# Altium PCB STM32F7_CoreBoard.PcbDoc (part 1 of 8) (continued)
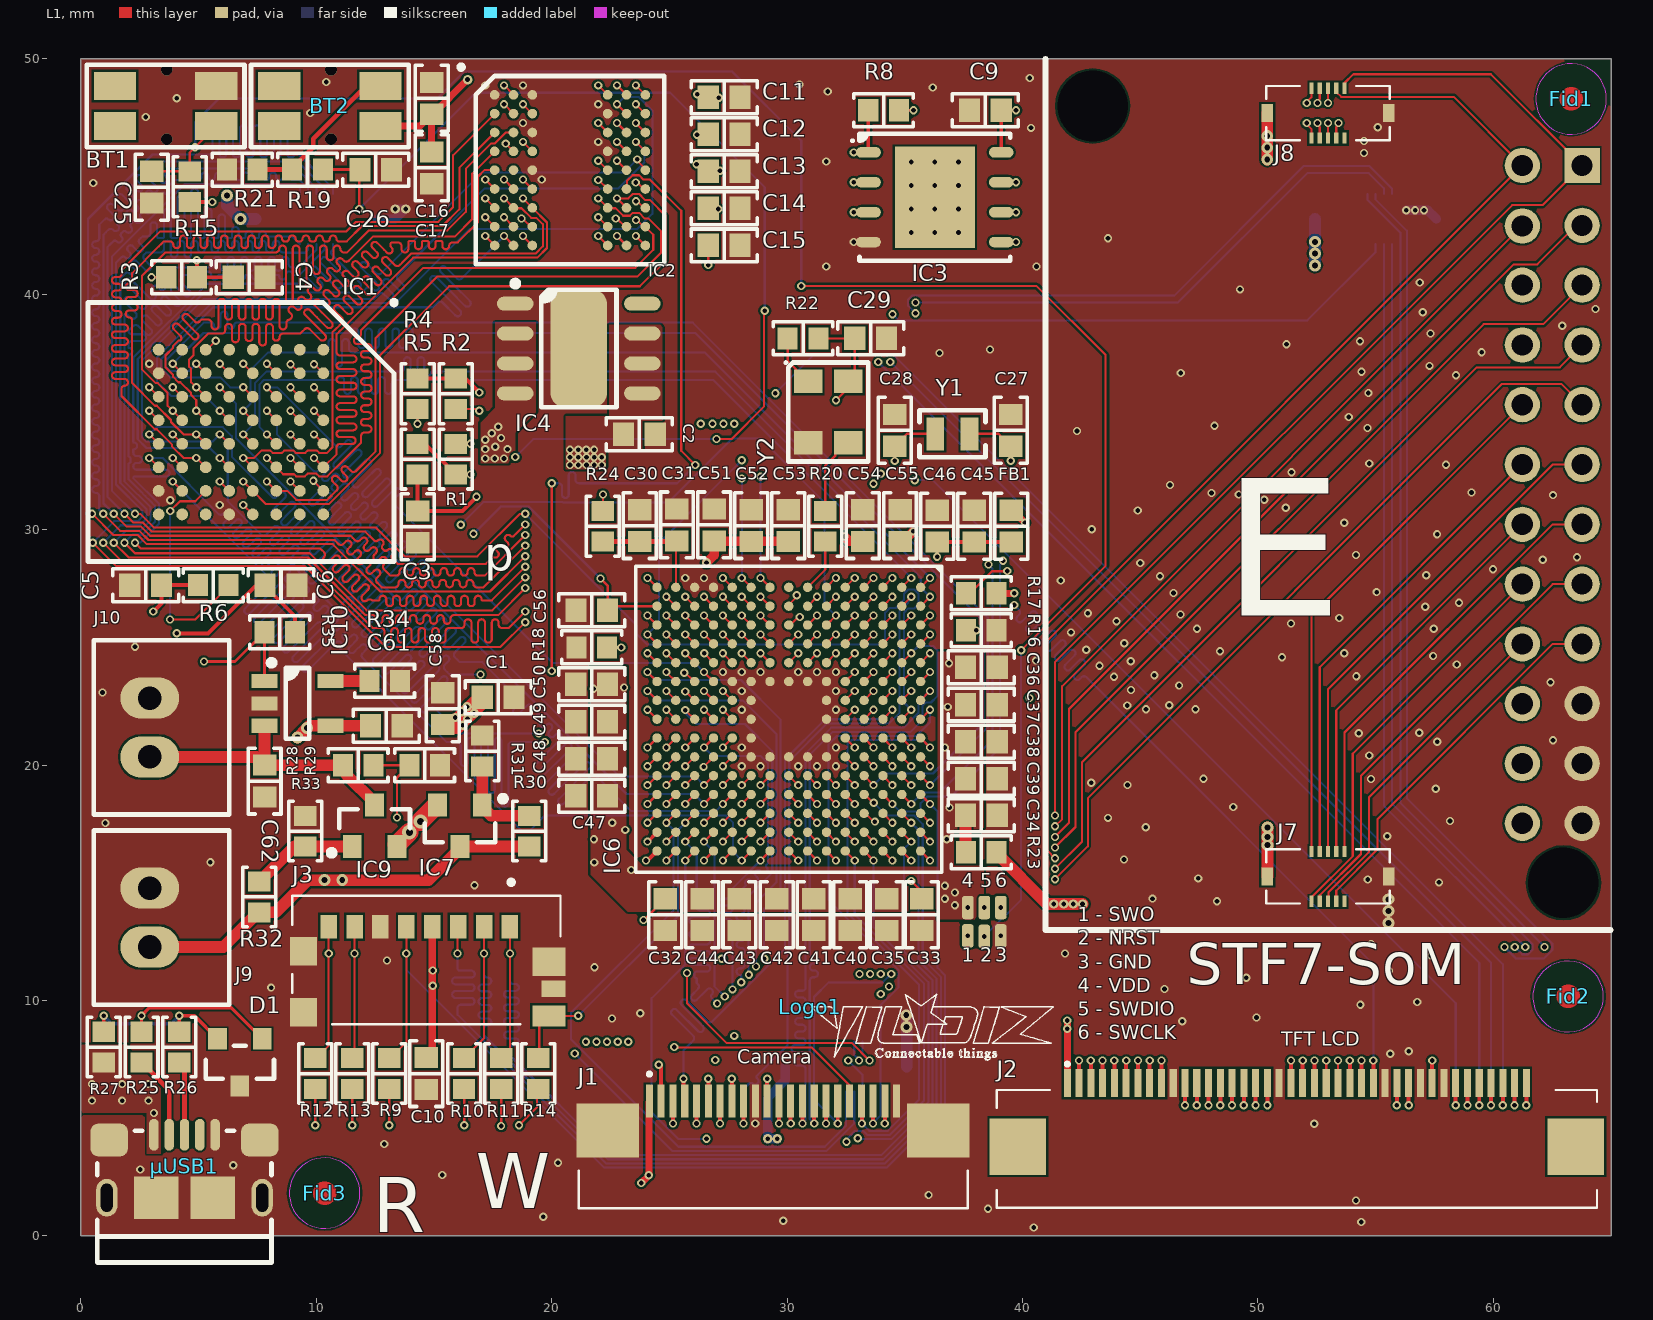
[diagram p0: L1 view]
## Part data (continued)
J1: library part FPC-22, "Connector", Contact Resistance=30mR, Current Rating=500mA, Flammability Rating="UL94 V-0", Housing Color=Black, Insulation Resistance=100MR, Manufacturer="Amphenol FCI", Manufacturer Part Number=SFV22R-2STE1HLF, Max Operating Temperature=105°C, Max Voltage Rating (AC)=50V, Min Operating Temperature=-55°C, Package Quantity=3000, Supplier Part Number 1=609-4319-1-ND, Actuator Material=Glass,Polyphenylene, ComponentLink1Description=https://datasheet.ciiva.com/670/10112793-670003.pdf?src-supplier=Digi-Key, ComponentLink1URL=https://datasheet.ciiva.com/670/10112793-670003.pdf?src-supplier=Digi-Key, ComponentLink2Description=https://datasheet.ciiva.com/670/10112793-670004.pdf?src-supplier=Digi-Key, ComponentLink2URL=https://datasheet.ciiva.com/670/10112793-670004.pdf?src-supplier=Digi-Key, ComponentLink3Description=https://datasheet.ciiva.com/13704/10112793-13704492.pdf?src-supplier=Mouser, ComponentLink3URL=https://datasheet.ciiva.com/13704/10112793-13704492.pdf?src-supplier=Mouser, ComponentLink4Description=https://datasheet.ciiva.com/670/10112793-670005.pdf?src-supplier=Digi-Key, ComponentLink4URL=https://datasheet.ciiva.com/670/10112793-670005.pdf?src-supplier=Digi-Key, ComponentLink5Description=https://datasheet.ciiva.com/10368/10112793-10368190.pdf?src-supplier=Avnet, ComponentLink5URL=https://datasheet.ciiva.com/10368/10112793-10368190.pdf?src-supplier=Avnet, Contact Location=Top, Contact Material=Bronze, Contact Plating=Tin, Depth=4.9mm, Housing Material=Polymer, Length=16.5mm, Max Current Rating=500mA, Mount="Surface Mount", Number of Contacts=22, Number of Positions=22, Number of Rows=1, Orientation="Right Angle", Packaging="Tape and Reel", Pitch=0.5mm, Pricing 1="1 = 0,79000, 10 = 0,74300, 25 = 0,66840, 50 = 0,59420, 100 = 0,56950, 250 = 0,52000, 500 = 0,49522, 1000 = 0,40856 (USD)", Radiation Hardening=No, RoHS=Yes, Stock 1=2152, Supplier 1=Digi-Key, Termination=Solder, Voltage Rating=50V, Wire/Cable Type=Straight
J2: library part FPC-40, "Connector", Contact Resistance=30mR, Current Rating=500mA, Flammability Rating="UL94 V-0", Housing Color=Beige, Insulation Resistance=100MR, Manufacturer="Amphenol FCI", Manufacturer Part Number=62684-401100ALF, Max Operating Temperature=85°C, Max Voltage Rating (AC)=50V, Min Operating Temperature=-55°C, Package Quantity=2000, Supplier Part Number 1=609-1195-1-ND, Actuator Material=Glass,Thermoplastic, ComponentLink1Description=https://datasheet.ciiva.com/25631/0900766b8118e51f-25631168.pdf?src-supplier=RSComponents, ComponentLink1URL=https://datasheet.ciiva.com/25631/0900766b8118e51f-25631168.pdf?src-supplier=RSComponents, ComponentLink2Description=https://datasheet.ciiva.com/3112/62684-3112007.pdf?src-supplier=Avnet, ComponentLink2URL=https://datasheet.ciiva.com/3112/62684-3112007.pdf?src-supplier=Avnet, ComponentLink3Description=https://datasheet.ciiva.com/670/62684-670200.pdf?src-supplier=Digi-Key, ComponentLink3URL=https://datasheet.ciiva.com/670/62684-670200.pdf?src-supplier=Digi-Key, ComponentLink4Description=https://datasheet.ciiva.com/670/62684-670201.pdf?src-supplier=Digi-Key, ComponentLink4URL=https://datasheet.ciiva.com/670/62684-670201.pdf?src-supplier=Digi-Key, ComponentLink5Description=https://datasheet.ciiva.com/670/62684-670202.pdf?src-supplier=Digi-Key, ComponentLink5URL=https://datasheet.ciiva.com/670/62684-670202.pdf?src-supplier=Digi-Key, ComponentLink6Description=https://datasheet.ciiva.com/16659/62684-16659882.pdf?src-supplier=Avnet+Europe, ComponentLink6URL=https://datasheet.ciiva.com/16659/62684-16659882.pdf?src-supplier=Avnet+Europe, ComponentLink7Description=https://datasheet.ciiva.com/16709/70236840-16709916.pdf?src-supplier=Allied+Electronics, ComponentLink7URL=https://datasheet.ciiva.com/16709/70236840-16709916.pdf?src-supplier=Allied+Electronics, ComponentLink8Description=https://datasheet.ciiva.com/3112/62684-3112397.pdf?src-supplier=Avnet, ComponentLink8URL=https://datasheet.ciiva.com/3112/62684-3112397.pdf?src-supplier=Avnet, ComponentLink9Description=https://datasheet.ciiva.com/5772/62684-5772782.pdf?src-supplier=Farnell, ComponentLink9URL=https://datasheet.ciiva.com/5772/62684-5772782.pdf?src-supplier=Farnell, Contact Location=Bottom, Contact Material=Bronze, Contact Plating=Gold, Depth=5mm, Gender=Receptacle, Housing Material=Thermoplastic, Lead Free="Lead Free", Length=25.5mm, Max Voltage Rating (DC)=50V, Mount="Surface Mount", Number of Contacts=40, Number of Positions=40, Number of Rows=1, Orientation="Right Angle", Packaging="Tape and Reel", Pitch=0.5mm, Pricing 1="1 = 0,97000, 10 = 0,85600, 25 = 0,80600, 50 = 0,77240, 100 = 0,73880, 250 = 0,67168, 500 = 0,60450, 1000 = 0,53733 (USD)", REACH SVHC="No SVHC", RoHS=Yes, Stock 1=13351, Supplier 1=Digi-Key, Termination=Solder, Voltage Rating=50V, Width=5mm
J3: library part "uSD Card", "Connector", Manufacturer=Molex, Manufacturer Part Number=0475710001, Max Operating Temperature=85°C, Min Operating Temperature=-40°C, Package Quantity=1500, Supplier Part Number 1=WM9731CT-ND, ComponentLink1Description=https://datasheet.ciiva.com/15082/475710001-sd-15082838.pdf?src-supplier=Digi-Key, ComponentLink1URL=https://datasheet.ciiva.com/15082/475710001-sd-15082838.pdf?src-supplier=Digi-Key, ComponentLink2Description=https://datasheet.ciiva.com/3938/228290475710001-memory-card-socket-3938351.pdf?src-supplier=Arrow, ComponentLink2URL=https://datasheet.ciiva.com/3938/228290475710001-memory-card-socket-3938351.pdf?src-supplier=Arrow, ComponentLink3Description=https://datasheet.ciiva.com/2943/0475710001-memory-card-socket-2943559.pdf?src-supplier=Digi-Key, ComponentLink3URL=https://datasheet.ciiva.com/2943/0475710001-memory-card-socket-2943559.pdf?src-supplier=Digi-Key, ComponentLink4Description=https://datasheet.ciiva.com/15082/475710001-sd-15082839.pdf?src-supplier=Digi-Key, ComponentLink4URL=https://datasheet.ciiva.com/15082/475710001-sd-15082839.pdf?src-supplier=Digi-Key, ComponentLink5Description=https://datasheet.ciiva.com/15082/475710001-sd-15082840.pdf?src-supplier=Digi-Key, ComponentLink5URL=https://datasheet.ciiva.com/15082/475710001-sd-15082840.pdf?src-supplier=Digi-Key, Connector Type=Connector, Contact Material=Bronze, Contact Plating=Gold, Datasheet Link=https://www.molex.com/pdm_docs/sd/475710001_sd.pdf, Depth=5.45mm, Height=2.3mm, Housing Material=Polymer, Length=11.4mm, Mount="Surface Mount", Number of Contacts=8, Number of Rows=1, Orientation="Right Angle", Packaging="Tape and Reel", Pitch=1.1mm, Pricing 1="1 = 1,030000, 10 = 0,906000, 25 = 0,852400, 50 = 0,817000, 100 = 0,781400, 250 = 0,710400, 500 = 0,639340 (USD)", RoHS=Yes, Stock 1=37136, Supplier 1=Digi-Key, Termination=Solder
J5 J6 J7 J8 J11: library part "12 Pin (10 + 2 Power) B2B Socket", "Board to Board Connector", Manufacturer=Hirose, Manufacturer Part Number=BM24-10DS/2-0.35V(53), Supplier Part Number 1=H124928CT-ND, ComponentLink1Description=https://media.digikey.com/pdf/Data%20Sheets/Hirose%20PDFs/BM24.pdf?src-supplier=Digi-Key, ComponentLink1URL=https://media.digikey.com/pdf/Data%20Sheets/Hirose%20PDFs/BM24.pdf?src-supplier=Digi-Key, ComponentLink2Description=https://www.hirose.com/product/download/?distributor=digikey&type=2d&lang=en&num=BM24-10DS/2-0.35V(53)&src-supplier=Digi-Key, ComponentLink2URL=https://www.hirose.com/product/download/?distributor=digikey&type=2d&lang=en&num=BM24-10DS/2-0.35V(53)&src-supplier=Digi-Key, ComponentLink3Description=https://www.hirose.com/product/en/download_file/key_name/BM24-10DS__2-0.35V%2853%29/category/Specification%20Sheet/doc_file_id/87041/?file_category_id=9&item_id=06772002153&is_series=&src-supplier=Digi-Key, ComponentLink3URL=https://www.hirose.com/product/en/download_file/key_name/BM24-10DS__2-0.35V%2853%29/category/Specification%20Sheet/doc_file_id/87041/?file_category_id=9&item_id=06772002153&is_series=&src-supplier=Digi-Key, Connector Type=Socket, Contact Plating=Gold, Mated Stacking Heights=0.8mm, Mount="Surface Mount", Number of Pins=10, Number of Rows=2, Packaging="Tape and Reel", Pitch=0.014inch, Pricing 1="1 = 1,05000, 10 = 0,92600, 25 = 0,87120, 50 = 0,83500, 100 = 0,79860, 250 = 0,72600, 500 = 0,65340 (USD)", RoHS=Yes, Stock 1=2056, Supplier 1=Digi-Key
Logo1 Logo2: library part Logo, "Schematic symbol for Logo"
R1 R2 R3 R4 R5 R6 R8 R14 R15 R16 R17 R18 R19 R21 R22 R30 R31 R32 R33 R35: library part Resistor_Chip, "Ceramic, SMT Capacitor", Case/Package=0603, Case Code (Metric)=1608, Manufacturer="Stackpole Electronics", Manufacturer Part Number=RNCP0603FTD10K0, Max Operating Temperature=155°C, Max Power Dissipation=125mW, Min Operating Temperature=-55°C, Supplier Part Number 1=RNCP0603FTD10K0CT-ND, Temperature Coefficient=100ppm/°C, Tolerance=1%, Case Code (Imperial)=0603, Composition="Thin Film", Height=0.02inch, Lead Free="Lead Free", Length=0.059inch, Mount="Surface Mount", Number of Terminations=2, Packaging="Tape and Reel", Pricing 1="1 = 0,10000, 10 = 0,06700, 100 = 0,02730, 1000 = 0,01224, 2500 = 0,01063 (USD)", Radiation Hardening=No, Resistance=10kR, RoHS=Yes, Supplier 1=Digi-Key, Width=0.031inch
  R1 R2 R3 R4 R5 R6 R8: ComponentLink1Description=https://www.seielect.com/Catalog/SEI-rncp.pdf?src-supplier=Avnet, ComponentLink1URL=https://www.seielect.com/Catalog/SEI-rncp.pdf?src-supplier=Avnet, ComponentLink2Description=https://www.seielect.com/catalog/SEI-Packaging.pdf?src-supplier=Digi-Key, ComponentLink2URL=https://www.seielect.com/catalog/SEI-Packaging.pdf?src-supplier=Digi-Key, ComponentLink3Description=https://www.seielect.com/Catalog/SEI-rncp.pdf?src-supplier=Digi-Key, ComponentLink3URL=https://www.seielect.com/Catalog/SEI-rncp.pdf?src-supplier=Digi-Key, Contact Plating=Tin,Matte, Features="Moisture Resistant,Anti-Sulfur", Stock 1=619664
  R14 R15 R16 R17 R18 R19 R21 R22 R30 R31 R32 R33 R35: Contact Plating=Matte,Tin, Features="Anti-Sulfur,Moisture Resistant", Stock 1=183083
R9 R10 R11 R12 R13: library part Resistor_Chip, "Ceramic, SMT Capacitor", Case/Package=0603, Case Code (Metric)=1608, Manufacturer=Yageo, Manufacturer Part Number=RC0603JR-074K7L, Max Operating Temperature=155°C, Min Operating Temperature=-55°C, Power Rating=100mW, Supplier Part Number 1=311-4.7KGRCT-ND, Temperature Coefficient=100ppm/°C, Tolerance=5%, Voltage Rating=50V, Case Code (Imperial)=0603, ComponentLink1Description=https://datasheet.ciiva.com/46412/443971-46412858.pdf?src-supplier=Element14, ComponentLink1URL=https://datasheet.ciiva.com/46412/443971-46412858.pdf?src-supplier=Element14, Composition="Thick Film", Depth=0.8mm, Lead Free="Lead Free", Length=1.6mm, Military Standard=Not, Number of Pins=2, Packaging="Tape and Reel", Pricing 1="1 = 0,10000, 10 = 0,02000, 100 = 0,00810, 1000 = 0,00362, 2500 = 0,00314 (USD)", REACH SVHC="No SVHC", Resistance=4.7kR, RoHS=Yes, Stock 1=18785107, Supplier 1=Digi-Key, Termination=SMD/SMT, Voltage Rating (DC)=50V, Width=0.8mm
R20: library part Resistor_Chip, "Ceramic, SMT Capacitor", Case/Package=0603, Case Code (Metric)=1608, Manufacturer="Stackpole Electronics", Manufacturer Part Number=RMCF0603FT100R, Max Operating Temperature=155°C, Max Power Dissipation=100mW, Min Operating Temperature=-55°C, Supplier Part Number 1=RMCF0603FT100RCT-ND, Temperature Coefficient=100ppm/°C, Tolerance=1%, Case Code (Imperial)=0603, ComponentLink1Description=https://datasheet.ciiva.com/15215/getdatasheetpartid-360413-15215981.pdf?src-supplier=Verical, ComponentLink1URL=https://datasheet.ciiva.com/15215/getdatasheetpartid-360413-15215981.pdf?src-supplier=Verical, Composition="Thick Film", Contact Plating=Tin, Depth=0.8mm, Features="Automotive AEC-Q200", Height=0.022inch, Lead Free="Lead Free", Length=1.55mm, Military Standard=Not, Mount="Surface Mount", Number of Terminations=2, Packaging="Tape and Reel", Power Rating=100mW, Pricing 1="1 = 0,10000, 10 = 0,01700, 100 = 0,00680, 1000 = 0,00306, 2500 = 0,00266 (USD)", Radiation Hardening=No, Resistance=100R, RoHS=Yes, Stock 1=3526625, Supplier 1=Digi-Key, Width=0.031inch
R23 R24: library part Resistor_Chip, "Ceramic, SMT Capacitor", Case/Package=0603, Case Code (Metric)=1608, Current Rating=1A, Manufacturer="Stackpole Electronics", Manufacturer Part Number=RMCF0603ZT0R00, Max Operating Temperature=155°C, Max Power Dissipation=100mW, Min Operating Temperature=-55°C, Supplier Part Number 1=RMCF0603ZT0R00CT-ND, Working Voltage=75V, Case Code (Imperial)=0603, ComponentLink1Description=https://www.seielect.com/catalog/SEI-Packaging.pdf?src-supplier=Avnet, ComponentLink1URL=https://www.seielect.com/catalog/SEI-Packaging.pdf?src-supplier=Avnet, ComponentLink2Description=https://www.seielect.com/catalog/SEI-Packaging.pdf?src-supplier=Verical, ComponentLink2URL=https://www.seielect.com/catalog/SEI-Packaging.pdf?src-supplier=Verical, ComponentLink3Description=https://www.seielect.com/catalog/SEI-Packaging.pdf?src-supplier=Arrow, ComponentLink3URL=https://www.seielect.com/catalog/SEI-Packaging.pdf?src-supplier=Arrow, ComponentLink4Description=https://www.seielect.com/catalog/SEI-Packaging.pdf?src-supplier=Digi-Key, ComponentLink4URL=https://www.seielect.com/catalog/SEI-Packaging.pdf?src-supplier=Digi-Key, ComponentLink5Description=https://www.seielect.com/Catalog/SEI-RMCF_RMCP.pdf?src-supplier=Digi-Key, ComponentLink5URL=https://www.seielect.com/Catalog/SEI-RMCF_RMCP.pdf?src-supplier=Digi-Key, ComponentLink6Description=https://www.seielect.com/catalog/SEI-RMCF_RMCP.pdf?src-supplier=Avnet+Asia, ComponentLink6URL=https://www.seielect.com/catalog/SEI-RMCF_RMCP.pdf?src-supplier=Avnet+Asia, ComponentLink7Description=http://www.seielect.com/catalog/sei-rmc.pdf?src-supplier=Future+Electronics, ComponentLink7URL=http://www.seielect.com/catalog/sei-rmc.pdf?src-supplier=Future+Electronics, ComponentLink8Description=https://www.seielect.com/catalog/SEI-Packaging.pdf?src-supplier=Future+Electronics, ComponentLink8URL=https://www.seielect.com/catalog/SEI-Packaging.pdf?src-supplier=Future+Electronics, Composition="Thick Film", Contact Plating=Tin, Depth=0.8mm, Features="Automotive AEC-Q200", Height=0.022inch, Lead Free="Lead Free", Length=1.55mm, Military Standard=Not, Mount="Surface Mount", NC=NC, Number of Terminations=2, Packaging="Tape and Reel", Power Rating=100mW, Pricing 1="1 = 0,10000, 10 = 0,01600, 25 = 0,01160, 50 = 0,00880, 100 = 0,00640, 250 = 0,00492, 500 = 0,00392, 1000 = 0,00289 (USD)", Radiation Hardening=No, Resistance=0mR, RoHS=Yes, Stock 1=3894946, Supplier 1=Digi-Key, Width=0.031inch
R25 R26: library part Resistor_Chip, "Ceramic, SMT Capacitor", Case/Package=0603, Case Code (Metric)=1608, Manufacturer=Panasonic, Manufacturer Part Number=ERJ3EKF20R0V, Max Operating Temperature=155°C, Max Power Dissipation=100mW, Min Operating Temperature=-55°C, Package Quantity=1, Supplier Part Number 1=P20.0HCT-ND, Temperature Coefficient=100ppm/°C, Tolerance=1%, Voltage Rating=75V, Voltage Rating (DC)=50V, Case Code (Imperial)=0603, ComponentLink1Description=http://industrial.panasonic.com/www-data/pdf/AOA0000/AOA0000CE2.pdf, ComponentLink1URL=http://industrial.panasonic.com/www-data/pdf/AOA0000/AOA0000CE2.pdf, ComponentLink2Description=https://www.alliedelec.com/m/d/623f45ff1957d936ff56d46fd1c28cac.pdf, ComponentLink2URL=https://www.alliedelec.com/m/d/623f45ff1957d936ff56d46fd1c28cac.pdf, ComponentLink3Description=http://www.jameco.com/Jameco/Products/ProdDS/1987732.pdf, ComponentLink3URL=http://www.jameco.com/Jameco/Products/ProdDS/1987732.pdf, ComponentLink4Description=http://www.farnell.com/datasheets/1678782.pdf, ComponentLink4URL=http://www.farnell.com/datasheets/1678782.pdf, ComponentLink5Description=http://www.farnell.com/datasheets/1911175.pdf, ComponentLink5URL=http://www.farnell.com/datasheets/1911175.pdf, ComponentLink6Description=http://www.mouser.com/ds/2/315/AOA0000CE2-37512.pdf, ComponentLink6URL=http://www.mouser.com/ds/2/315/AOA0000CE2-37512.pdf, Composition="Thick Film", Contact Plating=Tin, Depth=0.8mm, Features="Automotive AEC-Q200", Height=0.45mm, Lead Free="Lead Free", Length=1.6mm, Military Standard=Not, Mount="Surface Mount", Number of Terminations=2, Packaging="Tape and Reel", Power Rating=100mW, Pricing 1="1 = 0,10000, 10 = 0,06500, 100 = 0,02640, 1000 = 0,01186, 2500 = 0,01029 (USD)", Radiation Hardening=No, REACH SVHC="No SVHC", Resistance=20R, RoHS=Yes, Stock 1=1013618, Supplier 1=Digi-Key, Termination=SMD/SMT, Width=0.031inch
R27: library part Resistor_Chip, "Ceramic, SMT Capacitor", Case/Package=0603, Manufacturer="Yageo Phycomp", Manufacturer Part Number=RC0603FR-074K7L, Max Operating Temperature=155°C, Min Operating Temperature=-55°C, Power Rating=100mW, Supplier Part Number 1=311-4.70KHRCT-ND, Temperature Coefficient=100ppm/°C, Tolerance=1%, Voltage Rating (DC)=50V, Depth=0.8mm, Height=0.45mm, Lead Free="Lead Free", Length=1.6mm, Mount="Surface Mount", Number of Pins=2, Packaging="Cut Tape", Pricing 1="1 = 0,10000, 10 = 0,02400, 100 = 0,00970, 1000 = 0,00437, 2500 = 0,00379 (USD)", REACH SVHC="No SVHC", Resistance=4.7kR, RoHS=Yes, Stock 1=21621510, Supplier 1=Digi-Key, Width=800um
R28 R29: library part Resistor_Chip, "Ceramic, SMT Capacitor", Case/Package=0603, Case Code (Metric)=1608, Manufacturer="Vishay Dale", Manufacturer Part Number=CRCW060330M0JPEAHR, Max Operating Temperature=155°C, Max Power Dissipation=100mW, Min Operating Temperature=-55°C, Package Quantity=5000, Supplier Part Number 1=541-30MAHCT-ND, Temperature Coefficient=500ppm/°C, Tolerance=5%, Case Code (Imperial)=0603, ComponentLink1Description=https://datasheet.ciiva.com/6566/dcrcwhe3-6566118.pdf?src-supplier=Digi-Key, ComponentLink1URL=https://datasheet.ciiva.com/6566/dcrcwhe3-6566118.pdf?src-supplier=Digi-Key, ComponentLink2Description=https://datasheet.ciiva.com/6566/dcrcwhe3-6566121.pdf?src-supplier=Digi-Key, ComponentLink2URL=https://datasheet.ciiva.com/6566/dcrcwhe3-6566121.pdf?src-supplier=Digi-Key, ComponentLink3Description=https://datasheet.ciiva.com/6566/dcrcwhe3-6566124.pdf?src-supplier=Digi-Key, ComponentLink3URL=https://datasheet.ciiva.com/6566/dcrcwhe3-6566124.pdf?src-supplier=Digi-Key, Composition="Thick Film", Contact Plating=Tin, Height=0.02inch, Length=0.061inch, Number of Terminations=2, Packaging="Tape and Reel", Pricing 1="1 = 0,40000, 10 = 0,28500, 100 = 0,11390, 1000 = 0,05610, 2500 = 0,05198 (USD)", Radiation Hardening=No, Resistance=30MR, RoHS=Yes, Stock 1=39597, Supplier 1=Digi-Key, Width=0.033inch
R34: library part Resistor_Chip, "Ceramic, SMT Capacitor", Case/Package=0603, Case Code (Metric)=1608, Manufacturer=Rohm, Manufacturer Part Number=ESR03EZPJ102, Max Operating Temperature=155°C, Max Power Dissipation=250mW, Min Operating Temperature=-55°C, Package Quantity=1, Supplier Part Number 1=RHM1.0KDCT-ND, Temperature Coefficient=200ppm/°C, Tolerance=5%, Case Code (Imperial)=0603, ComponentLink1Description=https://datasheet.ciiva.com/2469/esr-2469603.pdf?src-supplier=Digi-Key, ComponentLink1URL=https://datasheet.ciiva.com/2469/esr-2469603.pdf?src-supplier=Digi-Key, ComponentLink2Description=https://datasheet.ciiva.com/2469/esr-2469604.pdf?src-supplier=Digi-Key, ComponentLink2URL=https://datasheet.ciiva.com/2469/esr-2469604.pdf?src-supplier=Digi-Key, ComponentLink3Description=https://datasheet.ciiva.com/2469/esr-2469605.pdf?src-supplier=Digi-Key, ComponentLink3URL=https://datasheet.ciiva.com/2469/esr-2469605.pdf?src-supplier=Digi-Key, Composition="Thick Film", Features="Automotive AEC-Q200", Height=0.022inch, Lead Free="Lead Free", Length=0.063inch, Number of Terminations=2, Packaging="Tape and Reel", Pricing 1="1 = 0,10000, 10 = 0,08300, 100 = 0,03180, 1000 = 0,01398, 2500 = 0,01207 (USD)", Resistance=1kR, RoHS=Yes, Stock 1=148117, Supplier 1=Digi-Key, Width=0.031inch
Y1: library part ABS06-32.768KHZ-1-T, "CRYSTAL 32.7680KHZ 12.5PF SMD", Case/Package=CSMD, Device Package=2-SMD, ESR (Equivalent Series Resistance)=90kR, Frequency Stability=-, Frequency Tolerance=10ppm, Load Capacitance=12.5pF, Manufacturer="Abracon LLC", Max Operating Temperature=85°C, Min Operating Temperature=-40°C, Operating Mode=Fundamental, Package Quantity=3000, Supplier Part Number 1=535-10248-1-ND, ComponentLink1Description=Datasheet, ComponentLink1URL=http://www.abracon.com/Resonators/ABS06.pdf, ComponentLink2Description="Digi-Key Listing", ComponentLink2URL=http://www.digikey.com/product-detail/en/ABS06-32.768KHZ-1-T/535-10248-2-ND/2217994, ComponentLink3Description=https://datasheet.ciiva.com/15116/getdatasheetpartid-721079-15116832.pdf?src-supplier=Verical, ComponentLink3URL=https://datasheet.ciiva.com/15116/getdatasheetpartid-721079-15116832.pdf?src-supplier=Verical, ComponentLink4Description=https://datasheet.ciiva.com/7998/abs06-7998658.pdf?src-supplier=Element14, ComponentLink4URL=https://datasheet.ciiva.com/7998/abs06-7998658.pdf?src-supplier=Element14, ComponentLink5Description=https://datasheet.ciiva.com/1357/1796520-1357315.pdf?src-supplier=Element14, ComponentLink5URL=https://datasheet.ciiva.com/1357/1796520-1357315.pdf?src-supplier=Element14, ComponentLink6Description=https://datasheet.ciiva.com/28508/1912788-28508597.pdf?src-supplier=Element14, ComponentLink6URL=https://datasheet.ciiva.com/28508/1912788-28508597.pdf?src-supplier=Element14, ComponentLink7Description=https://datasheet.ciiva.com/856/abs06-856604.pdf?src-supplier=Digi-Key, ComponentLink7URL=https://datasheet.ciiva.com/856/abs06-856604.pdf?src-supplier=Digi-Key, ComponentLink8Description=https://datasheet.ciiva.com/3176/abs06-3176156.pdf?src-supplier=Avnet, ComponentLink8URL=https://datasheet.ciiva.com/3176/abs06-3176156.pdf?src-supplier=Avnet, ComponentLink9Description=https://datasheet.ciiva.com/856/abs06-856605.pdf?src-supplier=Digi-Key, ComponentLink9URL=https://datasheet.ciiva.com/856/abs06-856605.pdf?src-supplier=Digi-Key, ComponentLink10Description=https://datasheet.ciiva.com/856/abs06-856606.pdf?src-supplier=Digi-Key, ComponentLink10URL=https://datasheet.ciiva.com/856/abs06-856606.pdf?src-supplier=Digi-Key, Depth=1.2mm, ESR="90 kOhm", Frequency=32.768kHz, Height=0.024inch, Lead Free="Lead Free", Length=2mm, Manufacturer Part Number=ABS06-32.768KHZ-1-T, Mount="Surface Mount", Number of Pins=2, Packaging="Tape and Reel", PartId=8532, Pricing 1="1 = 0,80000, 10 = 0,70800, 50 = 0,66220, 100 = 0,58520, 500 = 0,55440, 1000 = 0,46200 (USD)", Radiation Hardening=No, REACH SVHC="No SVHC", RoHS=Yes, Series Resistance=90kR, Stock 2=63513, Supplier 1=Digi-Key, Termination=SMD/SMT, Tolerance=10ppm, Type="kHz Crystal (Tuning Fork)", Width=1.2mm
Y2: library part ASD1-1.544MHZ-EC-T, "OSC XO 1.544MHZ CMOS SMD", Frequency Stability=±25ppm, Manufacturer="ECS Inc.", Manufacturer Part Number=ECS-3225MV-240-CN-TR, Supplier Part Number 1=XC2884CT-ND, Voltage - Supply="1.62V ~ 3.63V", Base Resonator=Crystal, ComponentLink1Description=Datasheet, ComponentLink1URL=http://www.abracon.com/Oscillators/ASDseries.pdf, ComponentLink2Description="Digi-Key Listing", ComponentLink2URL=https://www.digikey.com/product-detail/en/ASD1-1.544MHZ-EC-T/535-9579-2-ND/1236896, ComponentLink3Description=https://www.ecsxtal.com/store/pdf/ECS-3225MV.pdf?src-supplier=Digi-Key, ComponentLink3URL=https://www.ecsxtal.com/store/pdf/ECS-3225MV.pdf?src-supplier=Digi-Key, Frequency=24MHz, Function=Enable/Disable, Output=HCMOS, Packaging="Cut Tape (CT)", Pricing 1="1 = 0,92000, 10 = 0,81700, 50 = 0,76380, 100 = 0,67510, 500 = 0,63954 (USD)", RoHS=No, Series=ECS-3225MV, Stock 1=1655, Supplier 1=Digi-Key, Type="XO (Standard)"
µUSB1: library part "USB 2.0 Type B Micro", Color=Black, Current Rating=1.8A, Flammability Rating="UL94 V-0", Insulation Resistance=1GR, Manufacturer="Amphenol FCI", Manufacturer Part Number=10118193-0001LF, Max Operating Temperature=85°C, Max Voltage Rating (AC)=100V, Min Operating Temperature=-55°C, Package Quantity=1200, Supplier Part Number 1=609-4616-1-ND, ComponentLink1Description=https://datasheet.ciiva.com/14802/10118193-0001lf-webpage-14802386.pdf?src-supplier=Arrow, ComponentLink1URL=https://datasheet.ciiva.com/14802/10118193-0001lf-webpage-14802386.pdf?src-supplier=Arrow, ComponentLink2Description=https://datasheet.ciiva.com/851/10118193-851106.pdf?src-supplier=Digi-Key, ComponentLink2URL=https://datasheet.ciiva.com/851/10118193-851106.pdf?src-supplier=Digi-Key, ComponentLink3Description=https://datasheet.ciiva.com/26853/getdatasheetpartid-418618-26853893.pdf?src-supplier=Verical, ComponentLink3URL=https://datasheet.ciiva.com/26853/getdatasheetpartid-418618-26853893.pdf?src-supplier=Verical, ComponentLink4Description=https://datasheet.ciiva.com/4598/10118193ac-197151-4598799.pdf?src-supplier=Mouser, ComponentLink4URL=https://datasheet.ciiva.com/4598/10118193ac-197151-4598799.pdf?src-supplier=Mouser, ComponentLink5Description=https://datasheet.ciiva.com/851/10118193-851108.pdf?src-supplier=Digi-Key, ComponentLink5URL=https://datasheet.ciiva.com/851/10118193-851108.pdf?src-supplier=Digi-Key, ComponentLink6Description=https://datasheet.ciiva.com/14618/70236827-14618887.pdf?src-supplier=Allied+Electronics, ComponentLink6URL=https://datasheet.ciiva.com/14618/70236827-14618887.pdf?src-supplier=Allied+Electronics, ComponentLink7Description=https://datasheet.ciiva.com/851/10118193-851107.pdf?src-supplier=Digi-Key, ComponentLink7URL=https://datasheet.ciiva.com/851/10118193-851107.pdf?src-supplier=Digi-Key, Connector Type=USB,Receptacle, Contact Material="Copper Alloy", Contact Plating=Gold, Depth=5.67mm, Features=Shielded, Gender=Female, Housing Material=Polymer, Length=7.86mm, Mount="Surface Mount,Horizontal", Number of Contacts=5, Number of Ports=1, Number of Terminals=5, Orientation="Right Angle", Packaging="Tape and Reel", Pitch=0.65mm, Pricing 1="1 = 0,43000, 10 = 0,40500, 25 = 0,36480, 50 = 0,32420, 100 = 0,31070, 250 = 0,28368, 500 = 0,27016 (USD)", Radiation Hardening=No, RoHS=Yes, Stock 1=57004, Supplier 1=Digi-Key, Termination=Solder, Voltage Rating=100V

## Free pads (board coordinates)
  rrect50% 0.5x1 smd: 1(37.675,12.75) 2(38.375,12.725) 3(39.075,12.75) 4(37.675,13.95) 5(38.375,13.95) 6(39.075,13.95)
  rect 1.5x1.5 hole 0.9: 1(63.77,45.47)
  round 1.5 hole 0.9: 2(63.77,42.93) 3(63.77,40.39) 4(63.77,37.85) 5(63.77,35.31) 6(63.77,32.77) 7(63.77,30.23) 8(63.77,27.69) 9(63.77,25.15) 10(63.77,22.61) 11(63.77,20.07) 12(63.77,17.53) 13(61.23,45.47) 14(61.23,42.905) 15(61.23,40.39) 16(61.23,37.85) 17(61.23,35.31) 18(61.23,32.77) 19(61.23,30.23) 20(61.23,27.69) 21(61.23,25.15) 22(61.23,22.61) 23(61.23,20.07) 24(61.23,17.53)
  round 2 hole 3: ""(42.975,48) ""(62.975,15)

## Via types
v1: diameter 0.35, hole 0.2, L1 to L6, tented both sides, 737 vias
v2: diameter 0.5, hole 0.25, L1 to L6, tented both sides, 20 vias
v3: diameter 0.4, hole 0.2, L1 to L6, tented both sides, 16 vias
v4: diameter 0.5, hole 0.2, L1 to L6, 12 vias
v5: diameter 0.5, hole 0.5, L1 to L6, 4 vias
v6: diameter 0.6, hole 0.3, L1 to L6, tented both sides, 2 vias

## Nets (pads, with @x,y where several pads share a name; then routed paths per layer and width w, separated by ;. In a path a pad name is that pad's centre, name@x,y a point inside that pad or via, vN(x,y) a via of type N, cw(c..) or ccw(c..) an arc to the next point about the centre after c; other vN are vias at no path point)
3v3: BT2.1 C2.2 C4.1 C5.1 C6.1 C9.1 C10.2 C11.1 C12.1 C13.1 C14.1 C15.1 C16.1 C17.1 C29.2 IC1.D8 IC1.F1 IC1.G5 IC2.5 IC2.6 IC2.7 IC3.8 IC4.A7 IC4.A9 IC4.B3 IC4.C7 IC4.D3 IC4.E7 IC4.J9 J3.4 R1.2 R2.2 R3.2 R4.2 R5.2 R6.1 R8.2 R9.2 R10.2 R11.2 R12.2 R13.2 R14.2 R15.1 R22.1 R23.2 R35.1 Y2.4 | length 58.9
  L1 w0.089: v1(3.9,34.05) IC1.G5@4.3,33.65 ; IC1.F1@5.3,37.65 5.35,37.65 v1(5.725,38.025) ; v1(6.9,31.05) IC1.D8@7.3,30.65 ; v1(18.775,46.475) IC4.D3@19.175,46.075 ; v1(18.775,48.075) IC4.B3@19.175,47.675 ; v1(21.975,45.675) IC4.E7@22.375,45.275 ; v1(21.975,47.275) IC4.C7@22.375,46.875 ; v1(21.975,48.875) IC4.A7@22.375,48.475 ; v1(23.575,42.475) IC4.J9@23.975,42.075 ; v1(23.575,48.875) IC4.A9@23.975,48.475
  L1 w0.1: v1(9.95,4.7) R12.2@9.95,6.25 ; R13.2@11.525,6.25 11.53,6.245 v1(11.53,4.7) ; v1(13.1,4.7) R9.2@13.1,6.25 ; R1.2@15.925,32.35 v1(16.548,32.35) ; R10.2@16.275,6.25 16.28,6.245 v1(16.28,4.7) ; v1(17.85,4.67) R11.2@17.85,6.25 ; v1(18.61,4.7) 19.375,5.465 19.375,6.25 R14.2@19.425,6.25 ; v1(26.65,41.25) C15.1@26.65,42.075 ; R22.1@31.325,38.125 C29.2@32.875,38.125 32.875,36.577 Y2.4@32.598,36.3 32.525,36.3 32.525,35.95 v1(32.075,35.5) ; R8.2@34.745,47.815 v1(35.368,47.815) ; C9.1@39.095,47.815 v1(39.718,47.815)
  L1 w0.169: v1(3.075,26.525) 3.425,26.875 C5.1@3.425,27.65 R6.1@4.975,27.65 ; v1(4.075,25.6) 5.4,25.6 7.45,27.65 C6.1@7.825,27.65 ; R15.1@4.625,43.925 v1(5.575,43.925) ; v1(4.925,41.45) R3.2@4.925,40.725 C4.1@6.475,40.725 ; C6.1@7.825,27.6 9.1,26.325 R35.1@9.1,25.65 ; R5.2@14.3,33.65 14.625,33.65 R1.2@15.925,32.35 ; R4.2@14.3,36.425 R2.2@15.925,36.425 16.327,36.425 v1(16.925,35.827) ; IC3.8@39.095,46.03 C9.1@39.095,47.815
  L1 w0.3: BT2.1@12.725,47.15 14.4,47.15 C16.1@14.9,47.65 ; C10.2@14.675,7.575 14.925,7.825 J3.4@14.925,13.14 ; C17.1@14.9,46.05 C16.1@14.9,47.65 ; v3(16.424,49.124) 14.95,47.65 C16.1@14.9,47.65
  L1 w0.5: R23.2@38.9,16.3 38.9,16.25 41.05,14.1 v3(41.325,14.1) v3(41.75,14.1) v3(42.15,14.1) v3(42.55,14.1)
  other v1: 14.95,10.625 14.95,11.275 20.775,32.75 21.125,32.75 21.475,32.75 21.8,32.75 22.125,32.75 20.775,33.075 21.125,33.075 21.475,33.075 21.8,33.075 22.125,33.075 20.775,33.4 21.125,33.4 21.464,33.4 21.8,33.4 27.075,43.625 27.15,45.25 26.15,45.525 26.175,46.775 27.1,48.35 26.186,48.5
5V: C61.2 IC7.3 IC10.4 J1.1 J2.1 J5.MP2 J6.MP2 J7.MP2 J8.MP2 J9.1 J11.MP2 pad.22 pad.23 pad.24 R27.1 R30.2 R32.2 µUSB1.1 | length 39.2
  L1 w0.3: v1(23.8,2.25) v1(24.125,2.575) 24.125,5.7 J1.1@24.15,5.725 ; J2.1@41.9,6.5 v1(41.9,8.8) v1(41.9,9.15)
  L1 w0.5: J9.1@2.925,12.275 6.05,12.275 7.525,13.75 R32.2@7.575,13.75 8.278,13.75 9.642,15.115 10.35,15.115 11.1,15.115 14.76,15.115 16.1,16.455 IC7.3@16.1,16.54 16.105,16.545 19.045,16.545 R30.2@19.05,16.55 ; v2(9.2,21.175) 9.6,21.575 9.699,21.675 IC10.4@10.6,21.675 C61.2@12.3,21.675 ; J7.MP2@50.395,15.275 50.4,15.28 v2(50.4,16.6) v2(50.4,16.95) v2(50.4,17.35) ; v2(50.395,45.73) v2(50.395,46.23) v2(50.395,46.73) J8.MP2@50.395,47.7
  L6 w0.4: J6.MP2@7.42,43.17 J6.MP2@7.42,43.2 ; v3(29.575,4.125) v3(29.175,4.125) 29.175,5.875 29.915,6.615 29.915,7.195 J11.MP2@29.92,7.2
  L6 w0.5: v2(6.2,44.2) 6.2,43.775 v2(6.775,43.2) J6.MP2@7.42,43.2 ; v2(52.42,41.23) v2(52.42,41.73) v2(52.42,42.23) J5.MP2@52.42,43.2
  other v1: 3.1,5.225 0.475,5.75 1.75,5.75 2.875,5.75 0.475,6.45 1.75,6.45 2.875,6.45
  other v2: 10.35,15.125 11.1,15.125 9.6,21.576
A0: IC1.E2 IC4.H7 IC6.D2 | length 69.3
  L1 w0.089: v1(5.9,37.05) IC1.E2@6.3,36.65 ; v1(21.975,43.275) IC4.H7@22.375,42.875 ; IC6.D2@33.27,26.753 v1(33.67,27.153)
  L3 w0.089: v1(5.9,37.05) 7.381,38.531 11.899,38.531 12.043,38.531 12.188,38.531 cw(c12.188,38.387) 12.332,38.387 12.332,38.337 ccw(c12.477,38.337) 12.477,38.192 ccw(c12.477,38.337) 12.621,38.337 12.621,38.387 cw(c12.765,38.387) 12.765,38.531 cw(c12.765,38.387) 12.91,38.387 12.91,38.337 ccw(c13.054,38.337) 13.054,38.192 ccw(c13.054,38.337) 13.199,38.337 13.199,38.387 cw(c13.343,38.387) 13.343,38.531 cw(c13.343,38.387) 13.488,38.387 13.488,38.337 ccw(c13.632,38.337) 13.632,38.192 ccw(c13.632,38.337) 13.777,38.337 13.777,38.387 cw(c13.921,38.387) 13.921,38.531 14.065,38.531 14.275,38.531 28.03,38.531 33.362,33.199 33.362,27.461 v1(33.67,27.153)
  L4 w0.089: v1(5.9,37.05) 6.002,37.152 6.104,37.254 cw(c6.206,37.152) 6.309,37.254 6.4,37.163 ccw(c6.502,37.265) 6.604,37.163 ccw(c6.502,37.265) 6.604,37.368 6.411,37.561 cw(c6.503,37.653) 6.411,37.745 6.43,37.765 cw(c6.523,37.673) 6.615,37.765 6.887,37.493 ccw(c6.989,37.595) 7.091,37.493 ccw(c6.989,37.595) 7.091,37.697 6.819,37.969 cw(c6.912,38.062) 6.819,38.154 6.839,38.174 cw(c6.931,38.081) 7.024,38.174 7.296,37.901 ccw(c7.398,38.004) 7.5,37.901 ccw(c7.398,38.004) 7.5,38.106 7.228,38.378 cw(c7.32,38.47) 7.228,38.563 7.247,38.582 cw(c7.34,38.49) 7.432,38.582 7.704,38.31 ccw(c7.806,38.412) 7.909,38.31 ccw(c7.806,38.412) 7.909,38.514 7.636,38.786 cw(c7.729,38.879) 7.636,38.971 7.656,38.991 cw(c7.748,38.898) 7.841,38.991 8.113,38.719 ccw(c8.215,38.821) 8.317,38.719 ccw(c8.215,38.821) 8.317,38.923 8.045,39.195 cw(c8.137,39.287) 8.045,39.38 8.065,39.399 cw(c8.157,39.307) 8.249,39.399 8.521,39.127 ccw(c8.624,39.229) 8.726,39.127 ccw(c8.624,39.229) 8.726,39.331 8.454,39.604 cw(c8.546,39.696) 8.454,39.788 8.473,39.808 cw(c8.565,39.715) 8.658,39.808 8.93,39.536 ccw(c9.032,39.638) 9.134,39.536 ccw(c9.032,39.638) 9.134,39.74 8.862,40.012 cw(c8.954,40.104) 8.862,40.197 8.882,40.216 cw(c8.974,40.124) 9.066,40.216 9.339,39.944 ccw(c9.441,40.046) 9.543,39.944 ccw(c9.441,40.046) 9.543,40.149 9.271,40.421 cw(c9.363,40.513) 9.271,40.605 9.29,40.625 cw(c9.383,40.533) 9.475,40.625 9.747,40.353 ccw(c9.849,40.455) 9.951,40.353 ccw(c9.849,40.455) 9.951,40.557 9.781,40.727 cw(c9.884,40.829) 9.781,40.931 9.884,41.034 9.959,41.109 10.104,41.109 10.325,41.109 10.55,41.109 ccw(c10.55,41.254) 10.694,41.254 10.694,41.323 cw(c10.839,41.323) 10.839,41.467 cw(c10.839,41.323) 10.983,41.323 10.983,41.109 10.983,40.98 ccw(c11.128,40.98) 11.128,40.836 ccw(c11.128,40.98) 11.272,40.98 11.272,41.109 11.272,41.323 cw(c11.417,41.323) 11.417,41.467 cw(c11.417,41.323) 11.561,41.323 11.561,41.109 11.561,40.98 ccw(c11.706,40.98) 11.706,40.836 ccw(c11.706,40.98) 11.85,40.98 11.85,40.984 cw(c11.975,40.984) 11.975,41.109 18.74,41.109 20.906,43.275 v1(21.975,43.275)
A1: IC1.D2 IC4.H8 IC6.E2 | length 69.1
  L1 w0.089: v1(6.9,37.05) IC1.D2@7.3,36.65 ; v1(22.718,43.218) 22.775,43.218 23.118,42.875 IC4.H8@23.175,42.875 ; IC6.E2@32.47,26.753 v1(32.87,27.153)
  L3 w0.089: v1(6.9,37.05) 7.865,38.015 8.009,38.015 8.154,38.015 cw(c8.154,37.87) 8.298,37.87 8.298,37.837 ccw(c8.442,37.837) 8.442,37.692 ccw(c8.442,37.837) 8.587,37.837 8.587,38.015 8.587,38.209 cw(c8.731,38.209) 8.731,38.354 cw(c8.731,38.209) 8.876,38.209 8.876,38.159 ccw(c9.02,38.159) 9.02,38.015 ccw(c9.02,38.159) 9.165,38.159 9.165,38.209 cw(c9.309,38.209) 9.309,38.354 cw(c9.309,38.209) 9.454,38.209 9.454,38.159 ccw(c9.598,38.159) 9.598,38.015 ccw(c9.598,38.159) 9.743,38.159 9.743,38.209 cw(c9.887,38.209) 9.887,38.354 cw(c9.887,38.209) 10.031,38.209 10.031,38.159 ccw(c10.176,38.159) 10.176,38.015 ccw(c10.176,38.159) 10.32,38.159 10.32,38.209 cw(c10.465,38.209) 10.465,38.354 cw(c10.465,38.209) 10.609,38.209 10.609,38.159 ccw(c10.754,38.159) 10.754,38.015 ccw(c10.754,38.159) 10.898,38.159 10.898,38.209 cw(c11.043,38.209) 11.043,38.354 cw(c11.043,38.209) 11.187,38.209 11.187,38.159 ccw(c11.331,38.159) 11.331,38.015 ccw(c11.331,38.159) 11.476,38.159 11.476,38.209 cw(c11.62,38.209) 11.62,38.354 cw(c11.62,38.209) 11.765,38.209 11.765,38.159 ccw(c11.909,38.159) 11.909,38.015 12.054,38.015 12.12,38.015 28.295,38.015 33.179,33.131 33.179,27.461 v1(32.87,27.153)
  L4 w0.089: v1(6.9,37.05) 7.002,37.152 7.104,37.254 cw(c7.206,37.152) 7.309,37.254 7.4,37.163 ccw(c7.502,37.265) 7.604,37.163 ccw(c7.502,37.265) 7.604,37.368 7.513,37.459 cw(c7.615,37.561) 7.513,37.663 cw(c7.615,37.561) 7.717,37.663 7.887,37.493 ccw(c7.989,37.595) 8.091,37.493 ccw(c7.989,37.595) 8.091,37.697 7.921,37.867 cw(c8.024,37.969) 7.921,38.071 cw(c8.024,37.969) 8.126,38.071 8.296,37.901 ccw(c8.398,38.004) 8.5,37.901 ccw(c8.398,38.004) 8.5,38.106 8.33,38.276 cw(c8.432,38.378) 8.33,38.48 cw(c8.432,38.378) 8.534,38.48 8.704,38.31 ccw(c8.806,38.412) 8.909,38.31 ccw(c8.806,38.412) 8.909,38.514 8.739,38.684 cw(c8.841,38.786) 8.739,38.889 cw(c8.841,38.786) 8.943,38.889 9.113,38.719 ccw(c9.215,38.821) 9.317,38.719 ccw(c9.215,38.821) 9.317,38.923 9.147,39.093 cw(c9.249,39.195) 9.147,39.297 cw(c9.249,39.195) 9.351,39.297 9.521,39.127 ccw(c9.624,39.229) 9.726,39.127 ccw(c9.624,39.229) 9.726,39.331 9.556,39.501 cw(c9.658,39.604) 9.556,39.706 cw(c9.658,39.604) 9.76,39.706 9.93,39.536 ccw(c10.032,39.638) 10.134,39.536 ccw(c10.032,39.638) 10.134,39.74 9.964,39.91 cw(c10.066,40.012) 9.964,40.114 cw(c10.066,40.012) 10.169,40.114 10.339,39.944 ccw(c10.441,40.046) 10.543,39.944 ccw(c10.441,40.046) 10.543,40.149 10.373,40.319 cw(c10.475,40.421) 10.373,40.523 10.475,40.625 10.508,40.658 10.653,40.658 10.942,40.658 11.231,40.658 11.5,40.658 12.19,40.658 12.205,40.658 ccw(c12.205,40.787) 12.334,40.787 cw(c12.478,40.787) 12.478,40.931 cw(c12.478,40.787) 12.623,40.787 12.623,40.658 12.623,40.572 ccw(c12.767,40.572) 12.767,40.428 ccw(c12.767,40.572) 12.912,40.572 12.912,40.658 12.912,40.787 cw(c13.056,40.787) 13.056,40.931 cw(c13.056,40.787) 13.201,40.787 13.201,40.658 13.201,40.572 ccw(c13.345,40.572) 13.345,40.428 ccw(c13.345,40.572) 13.49,40.572 13.49,40.658 13.49,40.787 cw(c13.634,40.787) 13.634,40.931 cw(c13.634,40.787) 13.778,40.787 13.778,40.658 13.778,40.572 ccw(c13.923,40.572) 13.923,40.428 ccw(c13.923,40.572) 14.067,40.572 14.067,40.658 14.067,40.787 cw(c14.212,40.787) 14.212,40.931 cw(c14.212,40.787) 14.356,40.787 14.356,40.658 14.356,40.572 ccw(c14.501,40.572) 14.501,40.428 ccw(c14.501,40.572) 14.645,40.572 14.645,40.658 14.645,40.787 cw(c14.79,40.787) 14.79,40.931 cw(c14.79,40.787) 14.934,40.787 14.934,40.658 14.934,40.572 ccw(c15.079,40.572) 15.079,40.428 ccw(c15.079,40.572) 15.223,40.572 15.223,40.658 15.223,40.787 cw(c15.367,40.787) 15.367,40.931 cw(c15.367,40.787) 15.512,40.787 15.512,40.658 15.512,40.572 ccw(c15.656,40.572) 15.656,40.428 ccw(c15.656,40.572) 15.801,40.572 15.801,40.658 15.801,40.787 cw(c15.945,40.787) 15.945,40.931 cw(c15.945,40.787) 16.09,40.787 ccw(c16.218,40.787) 16.218,40.658 16.375,40.658 18.883,40.658 21.192,42.967 22.467,42.967 v1(22.718,43.218)